# Altium PCB ASCII_LimeSDR-USB_1v4s.PcbDoc (part 6 of 10)
Units mm, origin at the board's own origin, x right, y up, seen from the top; angles counter-clockwise.
Board outline 100 x 60 mm, 12 copper layers (Top, L2, L3, L4, L5, L6, L7, L8, L9, L10, L11, Bottom), stack 1.58 mm thick; 858 components, 627 nets, 4058 pads, 2110 vias.
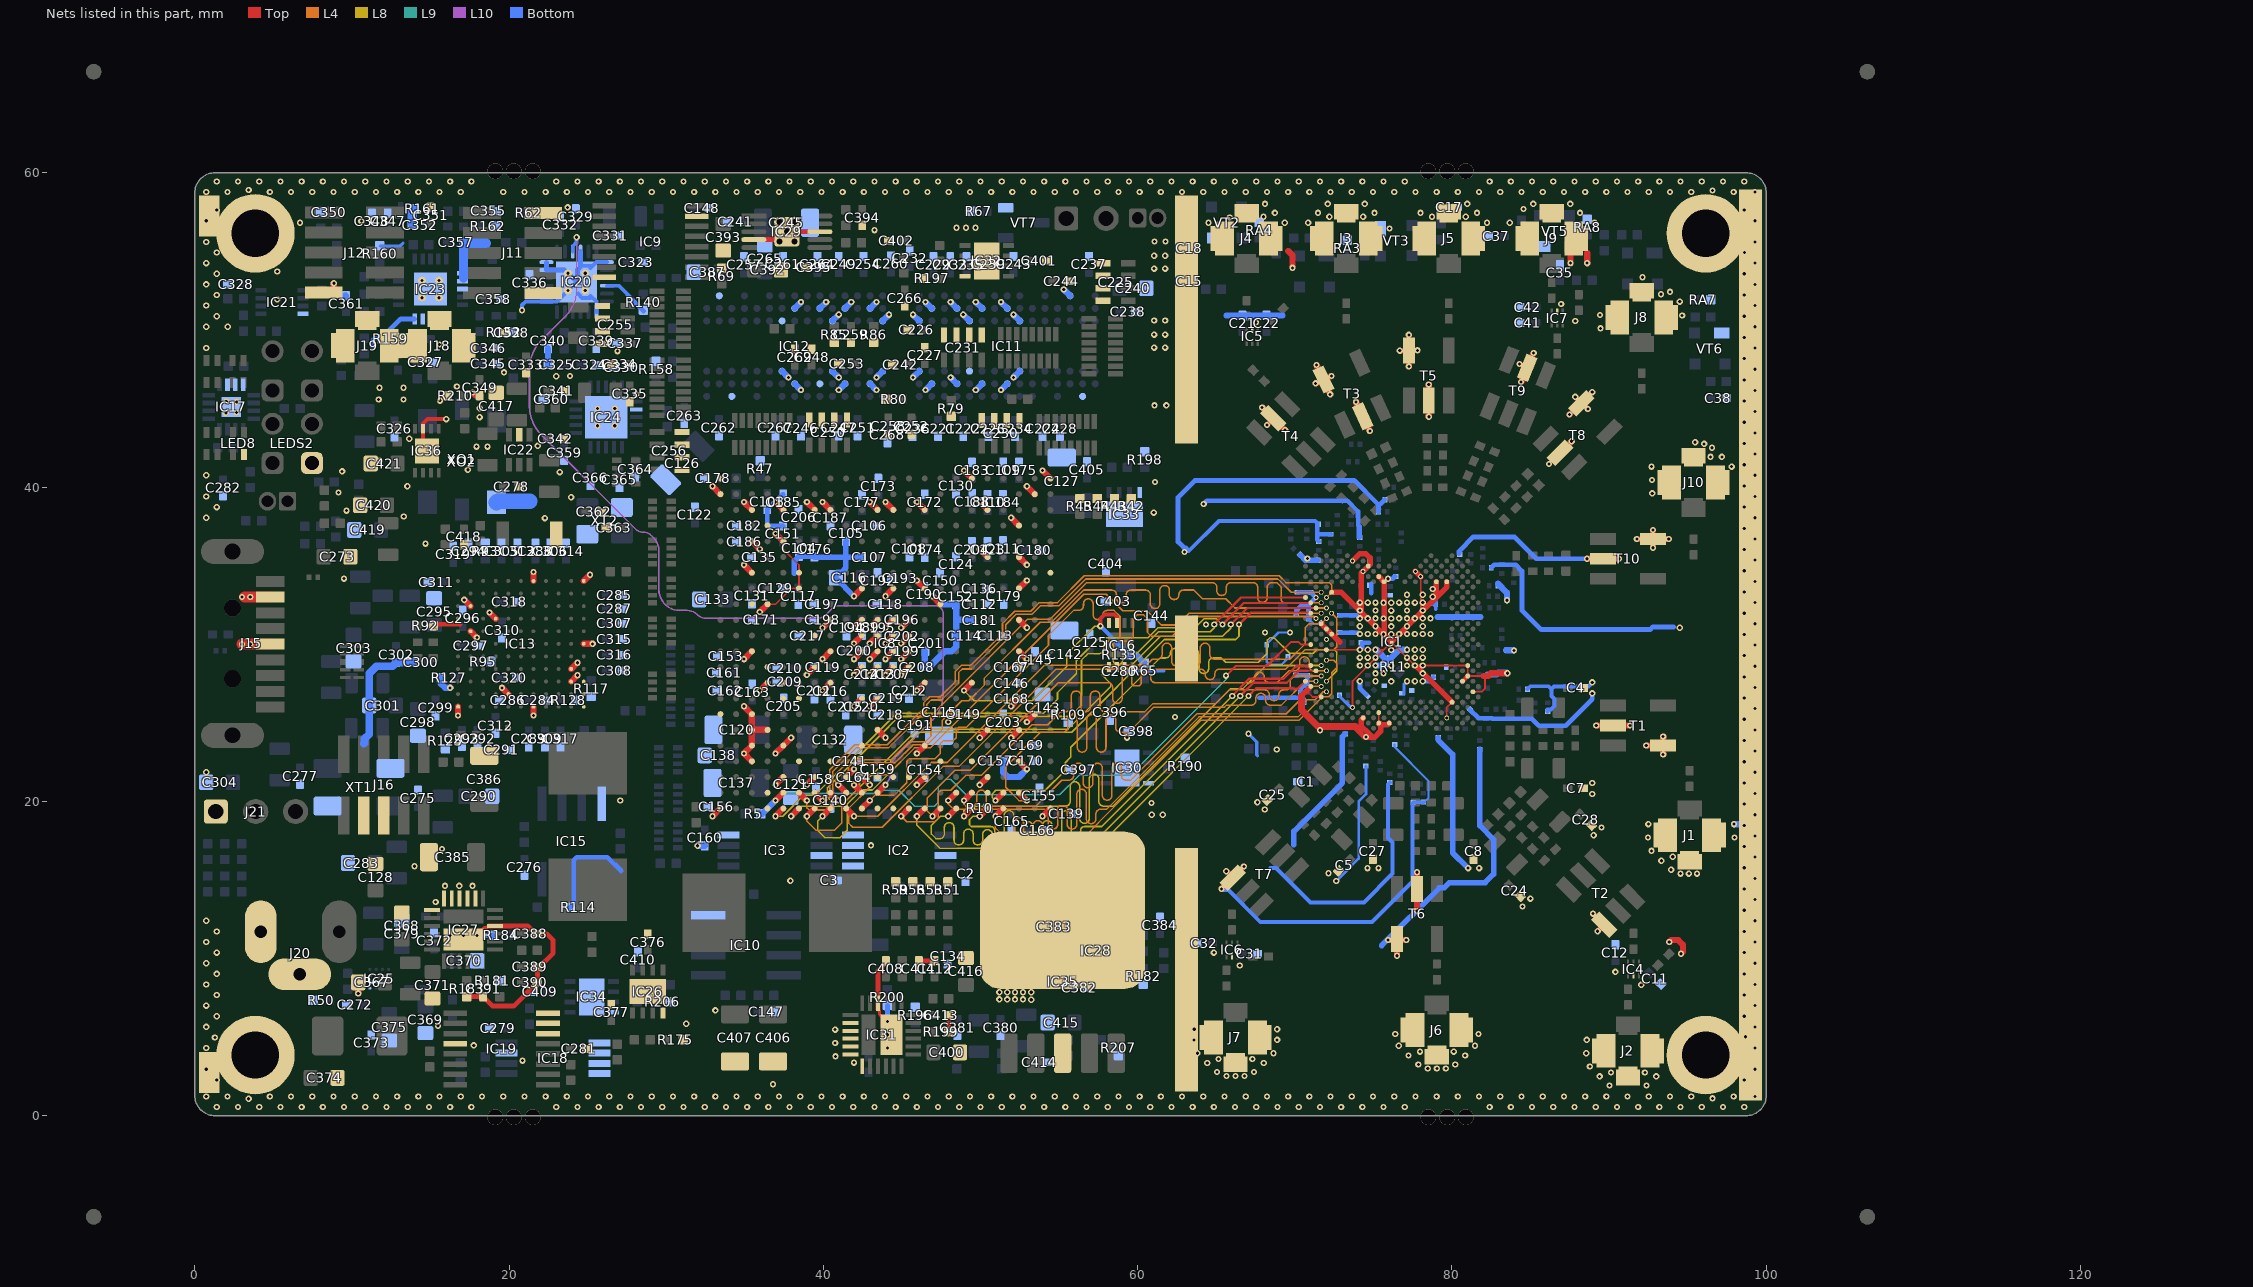
[diagram p14: the nets of this part, all layers, seen from the top]

## Via types
v1: diameter 0.4, hole 0.2, Top to Bottom, tented both sides, 1293 vias
v2: diameter 0.4, hole 0.2, Top to Bottom, tented top, 427 vias
v3: diameter 0.4, hole 0.2, Top to Bottom, 281 vias
v4: diameter 0.31, hole 0.2, Top to Bottom, tented top, 89 vias
v5: diameter 0.5, hole 0.2, Top to Bottom, tented both sides, 20 vias

## Nets (pads, with @x,y where several pads share a name; then routed paths per layer and width w, separated by ;. In a path a pad name is that pad's centre, name@x,y a point inside that pad or via, vN(x,y) a via of type N, cw(c..) or ccw(c..) an arc to the next point about the centre after c; other vN are vias at no path point) (continued)
GND: C1.2 C2.2 C3.1 C4.1 C5.1 C7.1 C8.1 C11.1 C12.1 C15.2 C17.2 C18.2 C21.1 C22.1 C24.1 C25.1 C27.1 C28.1 C31.1 C32.1 C35.2 C37.2 C38.2 C41.1 C42.1 C44.2 C45.2 C46.2 C47.2 C48.2 C49.2 C50.2 C51.2 C52.2 C53.2 C54.2 C55.2 C56.2 C57.2 C58.2 C59.2 C60.2 C61.2 C62.2 C63.2 C64.2 C65.2 C66.2 C67.2 C68.2 C69.2 C70.2 C71.2 C72.2 C73.2 C74.2 C75.2 C76.2 C77.2 C78.2 C79.2 C80.1 C81.2 C82.2 C83.2 C84.2 C85.2 C86.2 C87.2 C88.2 C89.2 C90.2 C91.2 C92.2 C93.2 C94.2 C95.2 C96.2 C97.2 C98.2 C99.2 C100.2 C101.2 C102.2 C103.2 C104.2 C105.2 C106.2 C107.2 C108.2 C109.2 C110.2 C111.2 C112.2 C113.2 C114.2 C115.1 C116.1 C117.1 C118.2 C119.2 C120.1 C121.1 C122.1 C123.2 C124.2 C125.2 C126.1 C127.1 C128.1 C129.1 C130.1 C131.2 C132.1 C133.1 C134.1 C135.1 C136.2 C137.1 C138.1 C139.1 C140.1 C141.2 C142.1 C143.1 C144.1 C145.1 C146.2 C147.2 C148.2 C149.2 C150.2 C151.2 C152.2 C153.2 C154.2 C155.2 C156.2 C157.2 C158.2 C159.2 C160.2 C161.2 C162.2 C163.2 C164.2 C165.2 C166.2 C167.2 C168.2 C169.2 C170.2 C171.2 C172.2 C173.2 C174.2 C175.2 C176.2 C177.2 C178.2 C179.2 C180.2 C181.2 C182.2 C183.2 C184.2 C185.2 C186.2 C187.2 C188.2 C189.2 C190.2 C191.2 C192.2 C193.2 C194.2 C195.2 C196.2 C197.2 C198.2 C199.2 C200.2 C201.2 C202.2 C203.2 C204.2 C205.2 C206.2 C207.2 C208.2 C209.2 C210.2 C211.2 C212.2 C213.2 C214.2 C215.2 C216.2 C217.2 C218.2 C219.2 C220.2 C221.2 C222.2 C223.2 C224.2 C225.5 C225.6 C225.7 C225.8 C226.2 C227.2 C228.2 C229.2 C230.5 C230.6 C230.7 C230.8 C231.5 C231.6 C231.7 C231.8 C232.2 C233.2 C234.2 C235.2 C236.2 C237.2 C238.2 C239.2 C240.1 C241.1 C242.1 C243.2 C244.2 C245.1 C246.2 C247.2 C248.2 C249.2 C250.5 C250.6 C250.7 C250.8 C251.2 C252.2 C253.2 C254.2 C255.5 C255.6 C255.7 C255.8 C256.5 C256.6 C256.7 C256.8 C257.2 C258.2 C259.2 C260.2 C261.2 C262.2 C263.2 C264.2 C265.1 C266.1 C267.1 C268.2 C269.2 C272.2 C273.1 C275.1 C276.2 C277.1 C278.2 C279.2 C280.2 C281.2 C282.2 C283.1 C284.2 C285.2 C286.1 C287.1 C288.2 C289.1 C290.1 C291.2 C292.1 C293.2 C294.1 C295.1 C296.2 C297.1 C298.1 C299.2 C300.2 C301.1 C302.2 C303.1 C304.1 C305.2 C306.2 C307.2 C308.2 C309.2 C310.2 C311.2 C312.2 C313.1 C314.1 C315.1 C316.1 C317.1 C318.1 C319.1 C320.1 C323.1 C324.1 C325.1 C326.1 C327.1 C328.1 C329.1 C330.1 C331.1 C332.1 C333.1 C334.1 C335.1 C336.1 C337.1 C338.1 C339.1 C340.1 C341.1 C342.2 C345.1 C346.1 C347.2 C348.2 C349.2 C350.2 C351.1 C352.2 C355.1 C357.1 C358.2 C359.2 C360.2 C361.1 C362.1 C363.1 C364.2 C365.2 C366.2 C367.1 C368.1 C369.1 C370.1 C371.1 C372.2 C373.2 C374.1 C375.1 C376.1 C377.1 C379.1 C380.1 C381.2 C382.1 C383.1 C384.1 C385.1 C386.1 C387.1 C388.2 C389.2 C390.2 C391.2 C392.1 C393.1 C394.1 C395.2 C396.1 C397.1 C398.1 C400.1 C401.1 C402.1 C403.1 C404.1 C405.1 C406.1 C407.1 C408.2 C409.1 C410.1 C411.2 C412.2 C413.2 C414.1 C415.1 C416.1 C417.1 C418.1 C419.1 C420.1 C421.1 IC1.AA31 IC1.AF32 IC1.AG29 IC1.AJ7 IC1.AJ9 IC1.AJ19 IC1.AK12 IC1.AK20 IC1.AL13 IC1.AL23 IC1.AM22 IC1.AN25 IC1.B18 IC1.B20 IC1.C7 IC1.C23 IC1.D20 IC1.E25 IC1.F6 IC1.G31 IC1.GND IC1.H2 IC1.J33 IC1.K4 IC1.L3 IC1.N3 IC1.T30 IC1.V30 IC1.W29 IC1.Y30 IC2.1 IC2.2 IC2.3 IC2.4 IC2.7 IC3.4 IC3.7 IC4.2 IC5.2 IC6.2 IC7.2 IC8.A1 IC8.A11 IC8.A12 IC8.A19 IC8.A22 IC8.AA2 IC8.AA22 IC8.AB1 IC8.AB6 IC8.AB22 IC8.B5 IC8.B19 IC8.C5 IC8.C9 IC8.C10 IC8.C11 IC8.C12 IC8.C14 IC8.C15 IC8.C16 IC8.C18 IC8.D3 IC8.D6 IC8.D8 IC8.D15 IC8.D17 IC8.D20 IC8.E9 IC8.E13 IC8.E18 IC8.E20 IC8.F3 IC8.F5 IC8.F12 IC8.F19 IC8.F20 IC8.G2 IC8.G20 IC8.G22 IC8.H3 IC8.H12 IC8.H13 IC8.H17 IC8.H18 IC8.J9 IC8.J15 IC8.J18 IC8.J19 IC8.K3 IC8.K10 IC8.K11 IC8.K12 IC8.K13 IC8.K16 IC8.K19 IC8.L3 IC8.L10 IC8.L11 IC8.L12 IC8.L13 IC8.L15 IC8.L20 IC8.M10 IC8.M11 IC8.M12 IC8.M13 IC8.M16 IC8.N3 IC8.N10 IC8.N11 IC8.N12 IC8.N13 IC8.N15 IC8.P8 IC8.P19 IC8.P20 IC8.R3 IC8.R9 IC8.R11 IC8.R13 IC8.R17 IC8.T1 IC8.T17 IC8.T20 IC8.U3 IC8.U5 IC8.V18 IC8.V20 IC8.W3 IC8.W19 IC8.Y5 IC8.Y9 IC8.Y11 IC8.Y12 IC8.Y15 IC8.Y16 IC8.Y18 IC8.Y20 IC9.8 IC9.15 IC10.4 IC11.A3 IC11.A7 IC11.B2 IC11.B8 IC11.D2 IC11.D8 IC11.E3 IC11.E7 IC11.F2 IC11.F8 IC11.H2 IC11.H8 IC11.J3 IC11.J7 IC11.N1 IC11.P9 IC12.A3 IC12.A7 IC12.B2 IC12.B8 IC12.D2 IC12.D8 IC12.E3 IC12.E7 IC12.F2 IC12.F8 IC12.H2 IC12.H8 IC12.J3 IC12.J7 IC12.N1 IC12.P9 IC13.A1 IC13.A8 IC13.B7 IC13.B8 IC13.B9 IC13.D8 IC13.E2 IC13.G1 IC13.G11 IC13.K3 IC13.K4 IC13.L1 IC13.L2 IC13.L3 IC13.L6 IC13.L11 IC15.4 IC16.4 IC16.5 IC16.6 IC16.7 IC17.6 IC17.7 IC17.8 IC17.17 IC18.1 IC18.2 IC18.3 IC18.4 IC18.7 IC19.4 IC19.14 IC19.15 IC19.16 IC20.1 IC20.7 IC20.11 IC20.12 IC20.16 IC20.19 IC20.22 IC20.25 IC21.4 IC22.5 IC23.1 IC23.2 IC23.3 IC23.9 IC23.10 IC23.21 IC24.7 IC24.21 IC25.C2 IC25.D1 IC25.D2 IC25.D3 IC26.4 IC26.9 IC27.4 IC27.8 IC27.9 IC27.10 IC27.11 IC27.12 IC27.13 IC27.25 IC28.4 IC28.9 IC29.4 IC29.8 IC29.11 IC30.4 IC30.9 IC31.4 IC31.8 IC31.9 IC31.10 IC31.11 IC31.12 IC31.13 IC31.25 IC32.4 IC32.9 IC33.4 IC33.9 IC34.4 IC34.9 IC35.3 IC36.7 IC36.9 J1.2 J2.2 J3.2 J4.2 J5.2 J6.2 J7.2 J8.2 J9.2 J10.2 J11.2 J11.10 J12.9 J15.4 J15.7 J16.3 J16.5 J18.2 J19.2 J20.2 J20.3 J21.1 LED8.3 LEDS2.K2 MECH1.MH1 MECH2.MH1 MECH3.MH1 MECH4.MH1 NT1.2 pad.2 pad.3 pad.4 pad.5 pad.16 R10.1 R11.2 R42.2 R43.2 R44.2 R45.2 R47.1 R50.1 R51.2 R53.2 R56.2 R59.2 R62.2 R67.2 R69.2 R79.1 R80.1 R85.1 R86.1 R92.1 R93.1 R95.1 R109.1 R114.1 R117.1 R125.1 R127.1 R128.1 R140.1 R152.1 R158.2 R159.1 R160.2 R161.2 R162.1 R175.2 R181.2 R182.2 R183.2 R184.1 R190.1 R196.2 R197.2 R198.1 R199.2 R200.2 R206.2 R207.2 R210.1 RA3.1 RA4.1 RA7.1 RA8.1 SW1.1 T1.2 T1.6 T2.3 T3.2 T3.4 T4.2 T5.2 T5.4 T6.2 T6.6 T7.3 T8.2 T8.4 T9.2 T10.2 T10.4 VT2.1 VT3.1 VT5.1 VT6.1 VT7.S XO1.2 XO2.2 XT1.2 XT1.4 XT2.2 XT2.4 | length 508.4
  Top w0.1: IC8.P19@36.45,32.55 36.95,32.55 37.95,33.55 IC8.R17@38.45,33.55 IC8.T17@38.45,34.55 38.45,35.045 37.45,36.045 IC8.V18@37.45,36.55
  Top w0.11: 70.876,27.173 70.876,26.899 71.129,26.646 IC1.G31@71.681,26.646 ; IC1.T30@72.014,29.643 75.661,29.643 ; v4(73.679,25.98) 73.679,27.661 75.154,29.136 75.661,29.643 ; IC1.B20@75.344,24.981 IC1.D20@75.344,25.647 ; 78.008,31.99 v4(78.008,34.305) ; v4(79.673,25.314) 79.673,25.98 IC1.F6@80.006,26.313 ; IC1.L3@81.002,27.978 IC1.N3@81.002,28.545 ; IC1.L3@81.005,27.978 82.022,27.978 82.1,27.9 82.1,27.175 81.904,26.979 IC1.H2@81.338,26.979 IC1.H2@81.335,26.976 ; IC1.N3@81.005,28.644 77.675,28.644 77.63,28.644 76.146,30.128 75.661,29.643
  Top w0.2: R210.1@15.925,45.825 R210.1@16.075,45.825 ; IC27.25@17.1,11.225 17.7,11.825 18.25,11.825 18.4,11.975 18.625,11.975 IC27.4@18.725,12.075 ; IC31.4@43.475,6.775 43.575,6.675 43.575,6.45 43.725,6.3 43.725,5.75 IC31.25@44.325,5.15
  Top w0.25: IC36.9@14.525,42.55 IC36.7@14.525,43.7 14.525,44.05 14.8,44.325 v1(16,44.325)
  Top w0.3: R92.1@15.175,31.275 16.9,31.275 ; IC29.4@35.575,55.75 37.175,55.75 ccw(c37.175,56.25) IC29.11@37.675,56.25 IC29.8@39.775,56.25 ; 70.876,27.173 IC1.J33@71.015,27.312 ; IC1.K4@80.672,27.645 IC1.L3@81.005,27.978
  Top w0.309: R183.2@17.3,7.575 C391.2@18.35,7.575 18.95,6.975 20.3,6.975 C390.2@21.8,8.475 21.8,9.332 22.805,10.337 22.804,11.171 22.4,11.575 C388.2@21.8,11.575 21.681,11.575 21.176,12.08 IC27.4@18.725,12.08 ; IC31.4@43.47,6.775 43.471,9.226 43.975,9.731 C408.2@43.975,9.85 ; C411.2@46.218,9.85 C412.2@47.075,9.85 ; R199.2@47.975,5.35 C413.2@47.975,6.4
  Top w0.35: v1(65.334,14.431) T7.3@66.047,15.138 ; v1(65.639,15.556) T7.3@66.047,15.149 ; T7.3@66.052,15.144 T7.3@66.047,15.149 ; v1(66.759,15.856) T7.3@66.047,15.149 ; v1(68.233,43.953) T4.2@68.449,44.169 ; 70.426,26.723 70.876,27.173 ; IC1.AA31@71.681,31.308 IC1.Y30@72.014,30.975 IC1.W29@72.347,30.642 72.861,30.128 ; IC1.AG29@72.347,33.306 72.968,33.306 v1@74.228,32.046 ; v4(73.679,35.304) 74.129,35.754 74.531,35.754 74.795,35.491 74.795,35.088 v4(74.345,34.638) 74.228,34.521 v1@74.228,32.046 ; 73.875,24.769 73.875,24.675 74.475,24.075 75.074,24.075 75.461,24.462 75.461,24.864 ; IC1.C23@74.345,25.314 74.36,25.299 74.228,25.168 74.228,24.795 74.711,24.311 74.825,24.198 ; IC1.AK20@75.344,34.305 IC1.AJ19@75.677,33.972 v1@75.677,30.597 ; IC1.B18@76.01,24.981 75.893,24.864 75.461,24.864 ; v1(76.68,48.682) T5.4@77.256,48.682 ; v1(77.26,47.671) T5.4@77.264,48.675 ; v1(77.26,49.686) T5.4@77.256,48.682 ; v1@77.675,28.644 IC1.F6@80.006,26.313 ; v4(77.675,34.638) v4(78.008,34.305) ; v1(77.808,48.7) T5.4@77.256,48.682 ; IC1.AJ9@79.007,33.972 79.007,32.989 ; IC1.AJ7@79.673,33.972 79.673,33.655 79.007,32.989 ; v1(84.298,47.833) T9.2@84.796,47.599 ; T9.2@84.964,48.036 v1(85.198,48.533) ; v1(87.476,44.618) T8.4@88.173,45.339 ; v1@87.93,45.665 T8.4@88.256,45.351 ; T8.4@88.229,45.323 T8.4@88.256,45.351 ; v1(88.651,44.968) T8.4@88.256,45.351 ; v1(88.926,46.043) T8.4@88.256,45.351 ; v1(88.974,12.853) 89.681,12.141 v1(89.274,11.733) ; v1(91.769,36.694) T10.4@92.794,36.694 ; v1(92.794,36.144) T10.4@92.794,36.694 ; v1(92.794,37.269) T10.4@92.794,36.694 ; v1(93.794,36.694) T10.4@92.794,36.694 ; v1@74.228,32.046 v1@75.677,30.597 ; 75.461,24.864 75.461,24.894 75.374,24.981 75.374,24.922 75.431,24.864 75.461,24.864 ; v1@75.677,30.597 76.146,30.128 78.008,31.99 78.154,32.136 79.007,32.989
  Top w0.4: J12.9@8.2,52.375 8.65,52.375 8.85,52.575 v1@8.85,52.95 ; v1(10.4,7.775) C367.1@10.4,8.475 ; v1(15.6,45.5) R210.1@15.925,45.825 ; v1(16.75,25.459) IC13.A1@16.75,26.025 ; v1(17.15,32.825) IC13.B9@17.55,32.425 ; IC13.B7@17.55,30.825 v1(17.95,30.425) ; v1(17.675,46.025) 17.875,45.825 C349.2@18.125,45.825 ; v1(18.75,32.025) IC13.D8@19.15,31.625 ; v1(19.55,27.225) IC13.E2@19.95,26.825 ; v1(21.55,25.459) IC13.G1@21.55,26.025 ; IC13.G11@21.55,34.025 v1(21.55,34.591) ; IC13.K3@23.95,27.625 v1(24.35,28.025) ; IC13.K4@23.95,28.425 v1(24.35,28.825) ; IC13.L6@24.75,30.025 v1(25.316,30.025) ; IC13.L11@24.75,34.025 v1(25.15,34.425) ; v1(32.95,19.05) IC8.A22@33.45,19.55 ; v1(32.95,40.05) IC8.AA22@33.45,39.55 ; v1(34.95,26.05) IC8.G20@35.45,25.55 IC8.F20@35.45,24.55 ; v1(34.95,29.05) IC8.L20@35.45,29.55 ; v1(34.95,35.05) IC8.T20@35.45,34.55 ; v1(34.95,39.05) IC8.Y20@35.45,38.55 ; IC8.D20@35.45,22.55 v1(34.95,23.05) IC8.E20@35.45,23.55 IC8.F20@35.45,24.55 ; IC8.V20@35.45,36.55 v1(35.95,36.05) ; v1(35.95,27.05) IC8.J19@36.45,27.55 ; v1(35.95,32.05) IC8.P19@36.45,32.55 ; IC8.F19@36.45,24.55 IC8.F20@35.45,24.55 ; v1(36.95,21.05) IC8.C18@37.45,21.55 ; v2(36.95,23.05) IC8.E18@37.45,23.55 v2(37.95,24.05) ; v2(36.95,37.05) IC8.V18@37.45,36.55 ; v1(36.95,39.05) IC8.Y18@37.45,38.55 ; v1(38.95,21.05) IC8.C16@39.45,21.55 ; v1(38.95,28.05) IC8.K16@39.45,28.55 ; v1(38.95,39.05) IC8.Y16@39.45,38.55 ; v1(39.95,27.05) IC8.J15@40.45,27.55 ; v1(39.95,29.05) IC8.L15@40.45,29.55 ; v1(39.95,31.05) IC8.N15@40.45,31.55 ; v1(39.95,39.05) IC8.Y15@40.45,38.55 ; IC8.C14@41.45,21.55 v1(41.95,22.05) ; v1(41.95,26.05) IC8.H13@42.45,26.55 ; v1(41.95,28.05) IC8.K13@42.45,28.55 ; v1(41.95,29.05) IC8.L13@42.45,29.55 ; v1(41.95,30.05) IC8.M13@42.45,30.55 ; v1(41.95,31.05) IC8.N13@42.45,31.55 ; v1(41.95,33.05) IC8.R13@42.45,33.55 ; v1(42.95,26.05) IC8.H12@43.45,26.55 ; v1(42.95,28.05) IC8.K12@43.45,28.55 ; v1(42.95,29.05) IC8.L12@43.45,29.55 ; v1(42.95,30.05) IC8.M12@43.45,30.55 ; v1(42.95,31.05) IC8.N12@43.45,31.55 ; v1(42.95,39.05) IC8.Y12@43.45,38.55 ; IC8.F12@43.45,24.55 v1(43.95,24.05) ; v1(43.95,28.05) IC8.K11@44.45,28.55 ; v1(43.95,29.05) IC8.L11@44.45,29.55 ; v1(43.95,30.05) IC8.M11@44.45,30.55 ; v1(43.95,31.05) IC8.N11@44.45,31.55 ; v1(43.95,33.05) IC8.R11@44.45,33.55 ; v1(43.95,39.05) IC8.Y11@44.45,38.55 ; v1(44.95,28.05) IC8.K10@45.45,28.55 ; v1(44.95,29.05) IC8.L10@45.45,29.55 ; v1(44.95,30.05) IC8.M10@45.45,30.55 ; v1(44.95,31.05) IC8.N10@45.45,31.55 ; v1(45.95,21.05) IC8.C9@46.45,21.55 ; v2(45.95,23.05) IC8.E9@46.45,23.55 ; v1(45.95,27.05) IC8.J9@46.45,27.55 ; v1(45.95,34.05) IC8.R9@46.45,33.55 ; v1(45.95,39.05) IC8.Y9@46.45,38.55 ; v1(46.95,33.05) IC8.P8@47.45,32.55 ; v1(48.95,41.05) IC8.AB6@49.45,40.55 ; v1(49.95,21.05) IC8.C5@50.45,21.55 ; v2(49.95,24.05) IC8.F5@50.45,24.55 ; v2(49.95,36.05) IC8.U5@50.45,35.55 ; v1(49.95,39.05) IC8.Y5@50.45,38.55 ; v1(51.95,24.05) IC8.F3@52.45,24.55 ; v1(51.95,26.05) IC8.H3@52.45,26.55 ; v1(51.95,38.05) IC8.W3@52.45,37.55 ; IC8.D3@52.45,22.55 v2(52.95,22.05) ; IC8.L3@52.45,29.55 v2(52.95,29.05) ; IC8.N3@52.45,31.55 v1(52.95,31.05) ; IC8.R3@52.45,33.55 v2(52.95,34.05) ; IC8.U3@52.45,35.55 v2(52.95,35.05) ; v1(52.95,25.05) IC8.G2@53.45,25.55 ; v1(52.95,40.05) IC8.AA2@53.45,39.55 ; v1(53.95,19.05) IC8.A1@54.45,19.55 ; v1(53.95,41.05) IC8.AB1@54.45,40.55 ; v1(67.923,45.071) T4.2@68.489,44.505 ; T4.2@68.82,44.187 v1(69.386,43.621) ; 69.575,55.025 69.855,54.745 v1(69.855,53.95) ; v1(71.326,46.599) T3.4@71.817,46.828 ; v1(71.376,47.774) 71.813,46.837 T3.4@71.817,46.828 ; T3.4@71.492,47.527 71.813,46.837 T3.4@71.817,46.828 ; T3.4@72.135,46.146 T3.4@71.817,46.828 ; v1(72.251,45.899) T3.4@71.817,46.828 ; v1(72.339,47.072) 71.833,46.836 T3.4@71.817,46.828 ; v1(73.901,45.424) 74.331,44.502 T3.2@74.66,43.796 ; T3.2@74.017,45.202 74.341,44.507 v1(74.776,43.574) ; v1(75.939,11.176) 76.514,11.176 v1(77.089,11.176) ; v1(76.51,10.174) T6.6@76.51,11.244 ; v1(77.775,13.03) T6.2@77.775,14.1 ; T6.2@77.78,14.424 v1(77.78,15.494) ; T5.2@78.522,45.732 v1(78.522,46.532) ; v1(78.53,44.473) T5.2@78.53,45.273 ; 82.022,27.978 82.303,27.978 82.475,28.15 v1(83.525,28.15) ; v1(84.398,46.683) 84.473,46.758 84.473,47.276 T9.2@84.796,47.599 ; T8.2@86.878,42.176 v1(87.62,42.918) ; v1@87.545,54.325 J9.2@87.545,54.925 ; T8.4@87.876,44.97 T8.4@88.229,45.323 ; v1(88.594,35.438) v1(90.619,35.438) ; v1@88.605,54.325 88.605,54.9 ; v1(89.186,24.823) T1.2@90.255,24.823 v1(91.325,24.823) ; v1(92.366,23.553) T1.6@93.435,23.553 T1.6@93.439,23.557 ; v1(93.441,22.978) 93.441,23.553 v1(93.441,24.128) ; T1.6@93.442,23.549 T1.6@93.446,23.553 ; v1(93.825,11.05) 93.95,11.175 94.407,11.175 94.7,10.882 94.7,10.425 v1(94.575,10.3)
  Top w0.45: 70.426,26.723 70.426,25.819 71.476,24.769 71.6,24.769 73.875,24.769
  Top w0.7: v1(3,30) J15.7@4.8,30 ; v1@3.15,33 J15.4@4.75,33
  Bottom w0.11: C57.2@70.876,31.599 70.924,31.599 71.211,31.311 71.653,31.311 C53.2@71.653,31.342
  Bottom w0.13: C75.2@76.351,23.614 76.351,23.461 78.523,21.289 78.523,20.227 C67.2@78.24,19.944
  Bottom w0.15: C47.2@69.571,29.219 69.571,29.114 69.151,28.694 68.407,28.694 68.226,28.875 68.226,29.989 68.221,29.994 68.221,30.006 68.965,30.75 v1(69.7,30.75)
  Bottom w0.17: v1(72.64,14.927) 72.64,14.939 74.065,16.364 74.065,19.989 74.531,20.455 C78.2@74.531,22.246
  Bottom w0.2: IC25.D2@11.138,8.513 IC25.C2@11.538,8.513 ; R160.2@11.775,55.35 13.075,55.35 13.25,55.525 ; C280.2@59.325,28.275 59.325,28.3 61.675,28.3 ; v1(67.05,24.3) 67.575,23.775 67.575,22.952 67.625,22.902 ; C65.2@72.846,26.769 72.846,26.699 73.564,25.98 v4(73.679,25.98) ; C73.2@76.956,26.814 76.956,27.463 v1(77.141,27.648) ; 78.651,32.544 C100.2@78.971,32.544 ; 78.971,32.224 C100.2@78.971,32.544 ; 78.971,32.864 C100.2@78.971,32.544
  Bottom w0.25: v1(20.825,51.25) 20.825,51.575 21.063,51.813 IC20.7@22.375,51.813 23.05,51.813 IC20.25@24.3,53.063 24.496,53.259 24.514,53.277 24.375,53.277 24.375,53.809 24.653,54.088 25.186,54.088 25.186,53.948 25.55,54.313 IC20.19@26.225,54.313 ; IC20.25@24.375,52.316 24.653,52.038 25.186,52.038 25.186,52.177 25.55,51.813 IC20.1@25.55,51.138 ; IC20.22@26.225,52.813 27,52.813 27.55,52.263 ; 63.251,35.924 65.177,37.85 71.29,37.85 C96.2@71.421,37.719 ; v1(65.334,14.431) 65.409,14.356 65.769,14.356 67.8,12.325 74.911,12.325 77.481,14.895 77.481,19.881 C66.2@77.544,19.944 C67.2@78.24,19.944 ; 68.45,15.756 68.817,15.756 70.998,13.575 74.393,13.575 76.231,15.413 76.231,17.375 75.925,17.681 75.925,21.07 C68.2@76.05,21.195 ; C72.2@84.806,27.144 84.987,27.325 86.15,27.325 86.325,27.15 ; C74.2@86.094,25.719 86.094,25.847 86.305,25.847 86.519,26.061 86.519,26.51 86.325,26.704 86.325,27.15 ; v1(88.93,27.572) 88.68,27.322 86.497,27.322 86.325,27.15
  Bottom w0.29: v1(64.2,38.925) 64.395,39.12 73.351,39.12 74.021,38.45 74.021,38.08 74.026,38.075 74.026,37.544 74.101,37.469
  Bottom w0.3: 11.3,48.9 11.3,49.057 11.325,49.082 11.325,49.35 11.45,49.475 11.875,49.475 13.1,50.7 IC23.10@14,50.7 ; IC20.12@22.375,54.313 IC20.11@22.375,53.813 IC20.25@23.55,53.813 ; v5(23.75,53.613) IC20.25@24.3,53.063 ; R114.1@23.9,13.275 24.11,13.485 24.11,16.254 24.306,16.45 26.25,16.45 27.125,15.575 ; IC20.25@24.496,53.259 24.35,53.259 24.35,53.82 24.55,54.02 IC20.16@24.55,54.988 ; 27.55,52.213 R140.1@28.55,51.213 ; C151.2@37.45,37.525 36.425,37.525 C103.2@36.425,38.575 37.4,39.55 C185.2@37.45,39.55 ; 63.233,35.942 63.047,36.128 62.952,36.128 62.572,36.509 62.572,39.341 63.656,40.425 73.77,40.425 75.295,38.9 75.321,38.9 ; 67.74,26.589 69.101,26.589 C61.2@69.876,26.589 70.28,26.589 70.376,26.685 ; C50.2@70.044,28.031 C51.2@70.756,28.031 ; C56.2@70.101,31.874 70.101,32.144 70.459,32.501 70.876,32.501 ; C45.2@70.201,33.314 71.008,33.314 v4(71.348,32.973) 70.876,32.501 ; C55.2@70.596,26.294 70.596,26.465 70.376,26.685 ; C51.2@70.801,28.031 70.801,27.499 70.666,27.364 70.547,27.364 70.376,27.192 70.376,26.685 ; C57.2@70.876,31.599 70.876,32.501 ; C96.2@71.421,37.719 71.421,36.654 C98.2@71.526,36.549 ; 71.561,36.999 C95.2@72.301,36.999 ; C58.2@72.851,30.739 74.051,30.739 v1(74.141,30.648) ; C48.2@72.851,31.839 73.951,31.839 v1(74.141,31.648) ; v1(74.141,29.648) 74.301,29.808 74.301,30.094 74.731,30.094 ; 74.871,33.249 C92.2@74.871,33.844 ; C86.2@75.321,38.419 75.321,38.9 ; C91.2@75.733,39.207 75.426,38.9 75.321,38.9 ; v2(75.926,34.169) 76.231,34.169 C85.2@76.376,34.314 ; v1(78.141,27.648) 78.576,27.648 C81.2@78.821,27.894 ; C93.2@80.451,35.749 80.451,35.919 81.357,36.825 83.975,36.825 85.362,35.438 v1(88.594,35.438) ; C83.2@81.149,25.836 81.697,25.289 82.546,25.289 82.573,25.262 85.092,25.262 85.535,24.819 87.251,24.819 88.93,26.498 v1(88.93,26.872) ; C89.2@82.506,34.869 82.686,35.049 84.06,35.049 84.455,34.654 84.455,32.153 85.676,30.931 92.625,30.931 92.794,31.1 94.1,31.1
  Bottom w0.309: v5(16.25,11.475) v5(17.1,11.475) R184.1@18.975,11.475 ; v5(44.075,4.3) v5(44.075,5.15) v5(44.075,6) R200.2@44.075,7.025 ; v1(74.141,27.648) 74.141,27.199 C79.2@74.546,26.794
  Bottom w0.35: 38.15,34.525 38.15,35.3 C104.2@38.45,35.6 39.375,35.6 C176.2@39.425,35.55 41.425,35.55 ; C105.2@41.45,36.55 41.425,36.525 41.425,35.55 ; v1(41.95,33.05) 40.8,34.2 C116.1@40.8,34.225 40.8,34.5 40.875,34.575 41.147,34.575 41.425,34.853 41.425,35.55 ; C107.2@42.425,35.525 42.4,35.55 41.425,35.55 ; 62.25,12.275 C32.1@63.7,10.825 ; 69.936,17.243 69.936,18.086 73.025,21.175 73.025,24.113 C62.2@73.201,24.289 ; C99.2@70.349,35.671 70.681,35.339 C97.2@71.451,35.339 ; C82.2@74.101,36.799 74.101,37.469 ; v4(74.345,34.638) 74.795,35.088 C88.2@74.795,35.369 ; 75.532,10.825 79.207,14.499 79.509,14.499 79.834,14.824 82.113,14.824 82.655,15.366 82.655,17.582 81.775,18.462 81.775,23.305 C87.2@81.771,23.309 ; C64.2@79.125,24.064 79.126,23.908 80.05,22.984 80.05,16.729 v1(81.03,15.749)
  Bottom w0.4: C361.1@9.55,52.175 C361.1@9.6,52.175 ; R127.1@15.646,27.875 15.646,27.504 15.925,27.225 v2(16.25,27.225) ; C325.1@22.475,47.788 C340.1@22.475,48.813 ; v1(32,17.175) C160.2@32.45,17.175 ; IC12.J3@37.375,47.375 v1(37.775,46.975) ; IC12.H2@38.175,46.575 v1(38.575,46.175) ; IC12.H8@38.175,51.375 v1(38.575,51.775) ; IC12.F8@39.775,51.375 v1(40.175,51.775) ; IC12.E3@40.575,47.375 v1(40.975,46.975) ; IC12.E7@40.575,50.575 v1(40.975,50.975) ; v1(40.975,46.175) IC12.D2@41.375,46.575 ; IC12.D8@41.375,51.375 v1(41.775,51.775) ; IC12.B2@42.975,46.575 v1(43.375,46.175) ; IC12.B8@42.975,51.375 v1(43.375,51.775) ; v1(43.375,46.975) IC12.A3@43.775,47.375 ; IC12.A7@43.775,50.575 v1(44.175,50.975) ; v1(45.7,46.975) IC11.A7@46.1,47.375 ; v1(45.7,50.975) IC11.A3@46.1,50.575 ; C201.2@46.45,29.55 C208.2@46.45,28.55 46.743,28.55 47.743,29.55 48.157,29.55 48.45,29.843 C114.2@48.45,30.391 ; v1(46.5,46.175) IC11.B8@46.9,46.575 ; v1(46.5,51.775) IC11.B2@46.9,51.375 ; v1(46.95,33.05) 46.98,33.05 47.48,32.55 48.425,32.55 C152.2@48.425,32.525 48.45,32.5 48.45,31.55 ; v1(48.1,46.975) IC11.D8@48.5,46.575 ; v1(48.1,51.775) IC11.D2@48.5,51.375 ; C114.2@48.45,30.525 48.45,31.55 ; v1(48.9,50.975) IC11.E3@49.3,50.575 ; C181.2@49.45,31.525 49.425,31.55 48.45,31.55 ; v1(49.7,46.175) IC11.F8@50.1,46.575 ; v1(49.7,51.775) IC11.F2@50.1,51.375 ; v1(51.3,46.175) IC11.H8@51.7,46.575 ; v1(51.3,51.775) IC11.H2@51.7,51.375 ; C157.2@51.45,22.575 51.45,21.843 51.743,21.55 52.45,21.55 v2(52.95,22.05) ; v1(52.1,46.975) IC11.J7@52.5,47.375 ; v1(52.1,50.975) IC11.J3@52.5,50.575 ; v1(55.3,52.575) IC11.N1@55.7,52.175 ; 65.65,50.925 C21.1@66.675,50.925 C22.1@68.2,50.925 69.2,50.925 ; v1(75.141,28.648) 75.641,28.648 R11.2@75.921,28.929 ; v1(75.141,29.648) 75.202,29.648 R11.2@75.921,28.929 ; v1(77.141,29.648) 76.641,29.648 R11.2@75.921,28.929 ; 79.086,31.739 C101.2@81.801,31.739 ; C84.2@82.281,28.069 82.281,28.075 82.84,28.075 82.95,28.185 83.49,28.185 v1(83.525,28.15) ; C102.2@82.931,33.844 83.5,33.275 v1(83.5,32.8) ; C71.2@83.456,29.619 83.931,29.619 v1(83.95,29.6) ; v1(97.95,18.55) 98.325,18.55
  Bottom w0.5: 10.75,23.675 10.8,23.725 10.8,23.978 11.1,24.278 C301.1@11.1,26.1 11.1,28.136 11.564,28.6 12.575,28.6 C302.2@12.81,28.835 13.86,28.835 C300.2@13.875,28.85
  Bottom w0.6: C352.2@13.85,56.8 13.85,57.6 R161.2@13.975,57.725 ; 17.1,53.325 C357.1@17.1,55.475 ; C357.1@17.15,55.525 18.55,55.525